# Altium PCB MASOUD.PcbDoc (part 1 of 5) (continued)
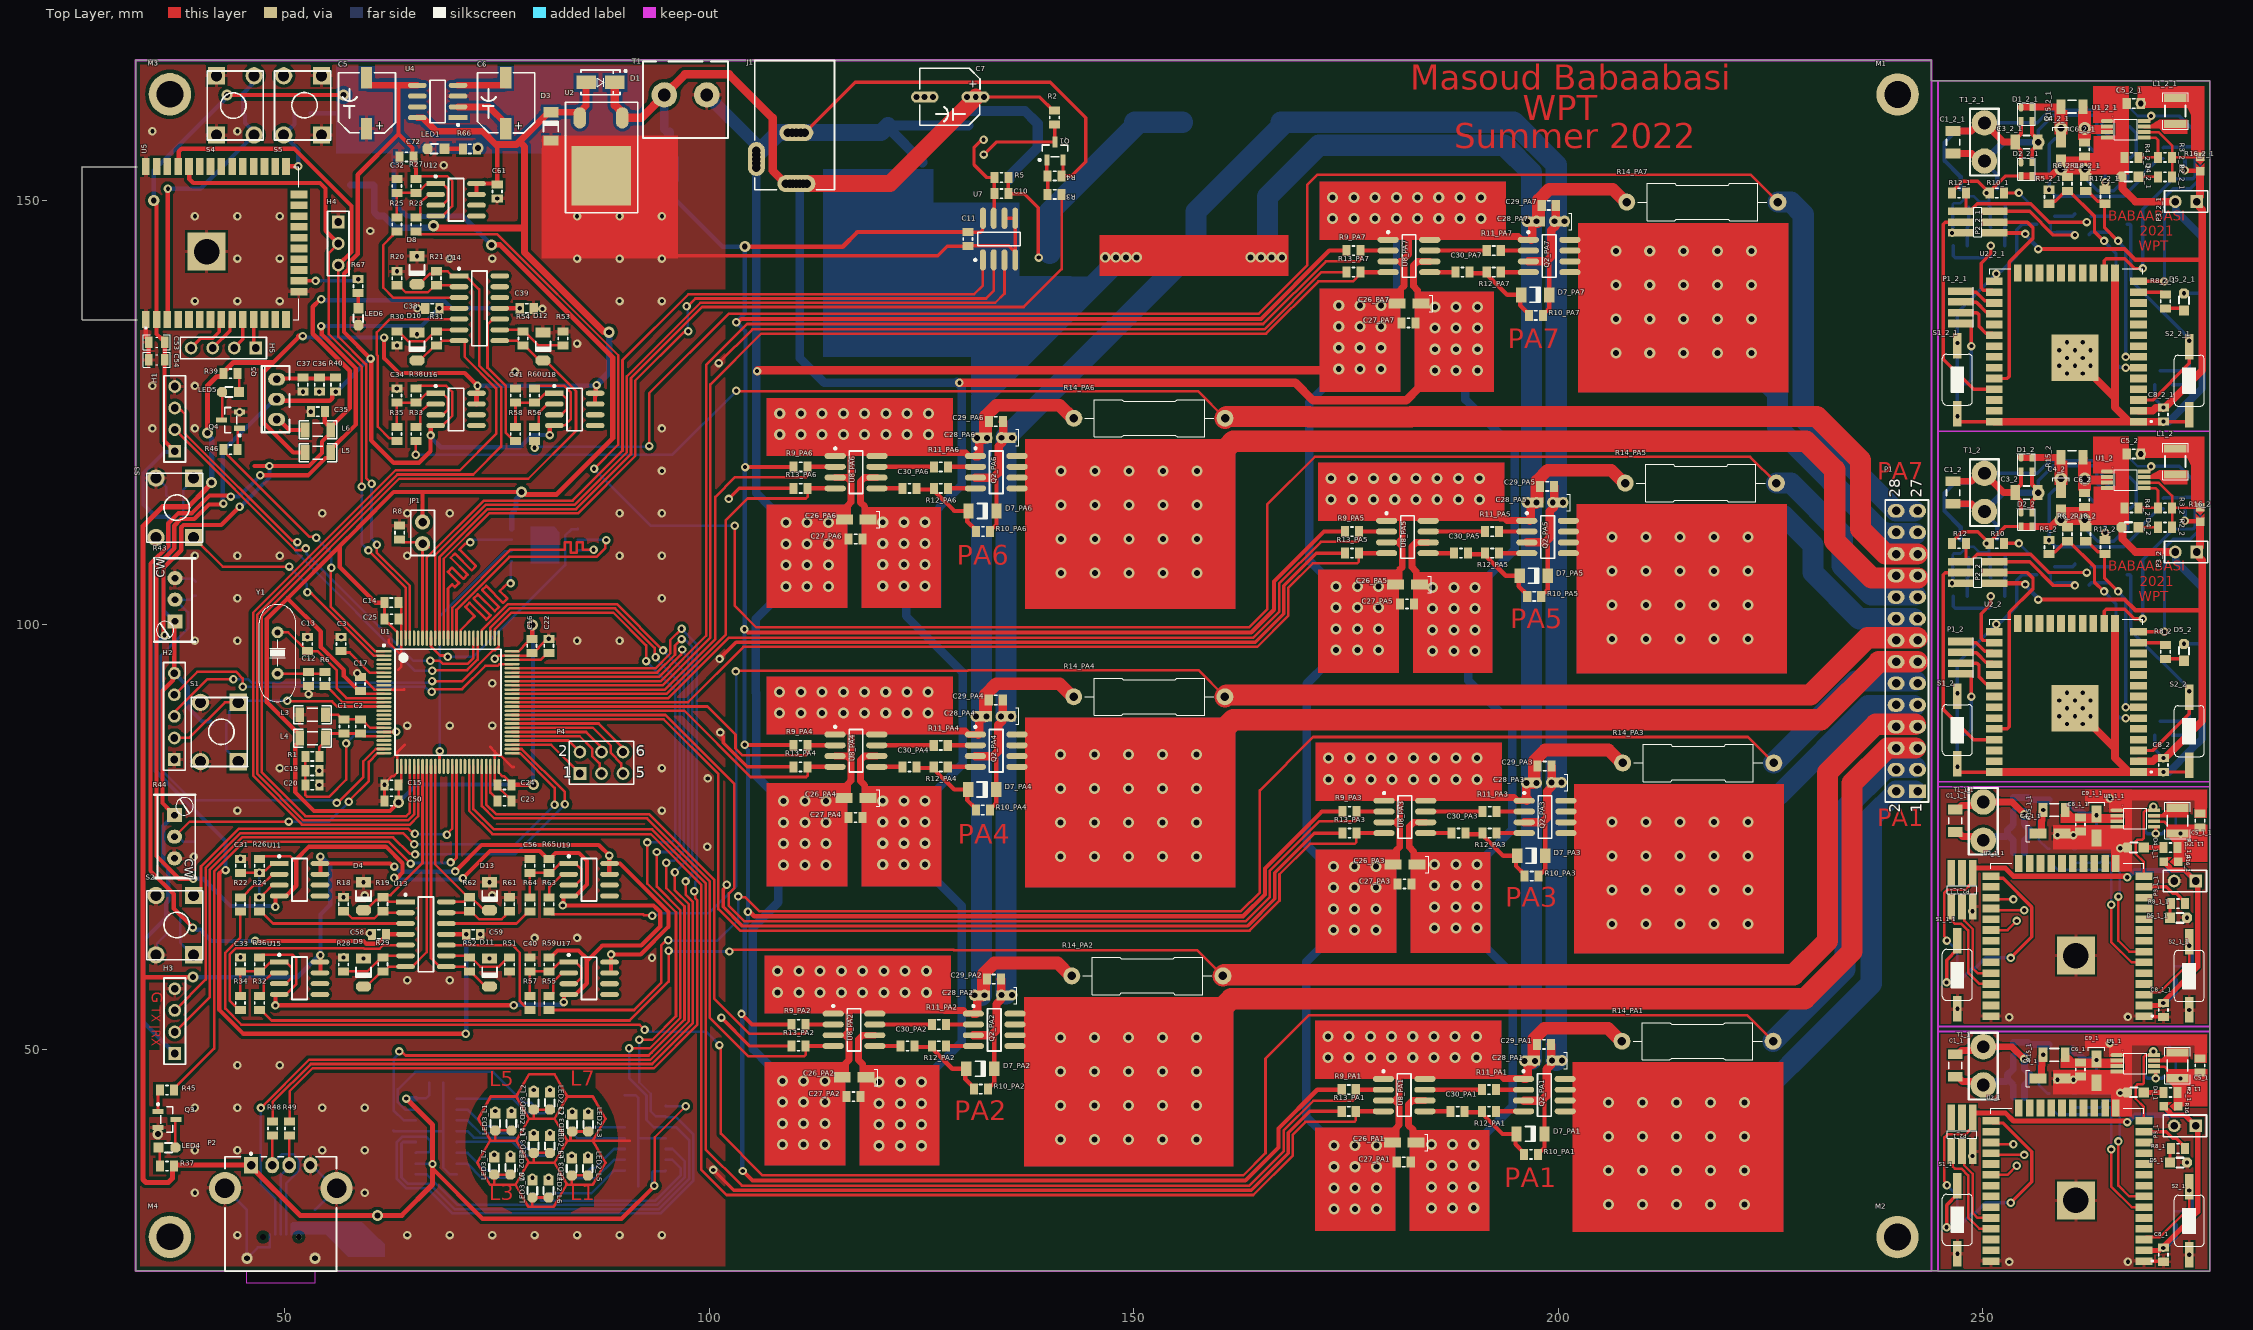
[diagram p0: Top Layer view]
## Components (designator, comment, footprint, x,y, rotation, side; value= is the part's Value field where it differs from the comment) (continued)
L6 "inductor 10uH" IND1206 53.935,122.974 r0 top value=10uH
LED1 "LED Red" led_0805 67.835,156.074 r180 top
LED2_L1 "LED Red" led_0805 76.735,41.478 r270 top (schematic designator LED2)
LED2_L2 "LED Red" led_0805 81.26,43.928 r270 top (schematic designator LED2)
LED2_L3 "LED Red" led_0805 85.785,41.353 r270 top (schematic designator LED2)
LED2_L4 "LED Red" led_0805 81.26,38.828 r270 top (schematic designator LED2)
LED2_L5 "LED Red" led_0805 85.735,36.178 r270 top (schematic designator LED2)
LED2_L6 "LED Red" led_0805 81.11,33.578 r270 top (schematic designator LED2)
LED2_L7 "LED Red" led_0805 76.61,36.278 r270 top (schematic designator LED2)
LED3_L1 "LED Green" led_0805 74.835,41.478 r270 top (schematic designator LED3)
LED3_L2 "LED Green" led_0805 79.36,43.928 r270 top (schematic designator LED3)
LED3_L3 "LED Green" led_0805 83.885,41.353 r270 top (schematic designator LED3)
LED3_L4 "LED Green" led_0805 79.36,38.828 r270 top (schematic designator LED3)
LED3_L5 "LED Green" led_0805 83.835,36.178 r270 top (schematic designator LED3)
LED3_L6 "LED Green" led_0805 79.21,33.578 r270 top (schematic designator LED3)
LED3_L7 "LED Green" led_0805 74.71,36.278 r270 top (schematic designator LED3)
LED4 "LED RED" led_0805 36.16,38.449 r0 top
LED5 "LED RED" led_0805 43.66,127.424 r180 top
LED6 "LED RED" led_0805 58.71,136.299 r270 top
M1 "Screw" Screw 239.985,162.474 r0 top
M2 "Screw" Screw 239.96,27.924 r0 top
M3 "Screw" Screw 36.51,162.499 r0 top
M4 "Screw" Screw 36.51,27.949 r0 top
P1 "Header 14X2" HDR2X14 242.332,80.42 r90 top locked
P1_1 "Header 4" HEADER-1.27MM-1*4 254.508,36.953 r180 bottom (schematic designator P1)
P1_1_1 "Header 4" HEADER-1.27MM-1*4 254.508,65.782 r180 bottom (schematic designator P1)
P1_2 "Header 4" HEADER-1.27MM-1*4 247.399,96.143 r0 top (schematic designator P1)
P1_2_1 "Header 4" HEADER-1.27MM-1*4 247.399,137.414 r0 top (schematic designator P1)
P2 "USB Connector" USB2.5-2H4C 49.565,30.894 r270 top
P2_1 "Header 3X2" HEADER-1.27MM-SMD-2*3 247.551,40.011 r90 top (schematic designator P2)
P2_1_1 "Header 3X2" HEADER-1.27MM-SMD-2*3 247.551,68.84 r90 top (schematic designator P2)
P2_2 "Header 3X2" HEADER-1.27MM-SMD-2*3 249.431,106.176 r0 top (schematic designator P2)
P2_2_1 "Header 3X2" HEADER-1.27MM-SMD-2*3 249.431,147.447 r0 top (schematic designator P2)
p3 "USB Connector" USB_AB_BM_SHS 49.585,26.824 r0 bottom
P3_1 "Header 2" HDR1X2 275.082,41.017 r180 top (schematic designator P3)
P3_1_1 "Header 2" HDR1X2 275.082,69.846 r180 top (schematic designator P3)
P3_2 "Header 2" HDR1X2 275.212,108.589 r180 top (schematic designator P3)
P3_2_1 "Header 2" HDR1X2 275.212,149.86 r180 top (schematic designator P3)
P4 "Header 3X2" HDR2X3 84.795,82.509 r0 top
Q1 "C945" SOT23_N 140.735,155.824 r90 top
Q1_1 "C945" SOT23_N 265.941,105.922 r0 bottom (schematic designator Q1)
Q1_1_1 "C945" SOT23_N 265.941,147.193 r0 bottom (schematic designator Q1)
Q2 "C945" SOT23_N 257.432,105.922 r180 bottom
Q2_1 "C945" SOT23_N 257.432,147.193 r180 bottom (schematic designator Q2)
Q2_PA1 "IRF7307" SO8_M 198.375,44.636 r0 top (schematic designator Q2)
Q2_PA2 "IRF7307" SO8_M 133.585,52.321 r0 top (schematic designator Q2)
Q2_PA3 "IRF7307" SO8_M 198.456,77.399 r0 top (schematic designator Q2)
Q2_PA4 "IRF7307" SO8_M 133.813,85.198 r0 top (schematic designator Q2)
Q2_PA5 "IRF7307" SO8_M 198.757,110.363 r0 top (schematic designator Q2)
Q2_PA6 "IRF7307" SO8_M 133.827,117.995 r0 top (schematic designator Q2)
Q2_PA7 "IRF7307" SO8_M 198.938,143.454 r0 top (schematic designator Q2)
Q3 "C945" SOT23_N 36.16,41.749 r0 top
Q3_1 "C945" SOT23_N 247.399,108.97 r90 bottom (schematic designator Q3)
Q3_1_1 "C945" SOT23_N 247.399,150.241 r90 bottom (schematic designator Q3)
Q4 "C945" SOT23_N 43.66,124.124 r180 top
Q4_1 "C945" SOT23_N 251.717,109.097 r90 bottom (schematic designator Q4)
Q4_1_1 "C945" SOT23_N 251.717,150.368 r90 bottom (schematic designator Q4)
Q5 "BD138" SOT-32 50.585,122.699 r90 top
R1 "47R" "RES 0805 (2012X06L)" 52.46,84.524 r0 top
R1_1 "Res1" "RES 0805 (2012X06L)" 271.907,50.669 r180 bottom value=100K (schematic designator R1)
R1_1_1 "Res1" "RES 0805 (2012X06L)" 271.907,79.498 r180 bottom value=100K (schematic designator R1)
R1_2 "Res1" "RES 0805 (2012X06L)" 268.735,120.019 r180 bottom value=100K (schematic designator R1)
R1_2_1 "Res1" "RES 0805 (2012X06L)" 268.735,161.29 r180 bottom value=100K (schematic designator R1)
R2 "10k" "RES 0805 (2012X06L)" 140.685,158.949 r90 top
R2_1 "Res1" "RES 0805 (2012X06L)" 272.923,44.954 r180 top value=4.7K (schematic designator R2)
R2_1_1 "Res1" "RES 0805 (2012X06L)" 272.923,73.783 r180 top value=4.7K (schematic designator R2)
R2_2 "Res1" "RES 0805 (2012X06L)" 272.291,111.51 r180 top value=4.7K (schematic designator R2)
R2_2_1 "Res1" "RES 0805 (2012X06L)" 272.291,152.781 r180 top value=4.7K (schematic designator R2)
R3 "10K" "RES 0805 (2012X06L)" 141.535,150.724 r180 top
R3_1 "Res1" "RES 0805 (2012X06L)" 273.049,46.859 r180 bottom value=47K (schematic designator R3)
R3_1_1 "Res1" "RES 0805 (2012X06L)" 273.049,75.688 r180 bottom value=47K (schematic designator R3)
R3_2 "Res1" "RES 0805 (2012X06L)" 272.292,113.796 r180 top value=47K (schematic designator R3)
R3_2_1 "Res1" "RES 0805 (2012X06L)" 272.292,155.067 r180 top value=47K (schematic designator R3)
R4 "47k" "RES 0805 (2012X06L)" 141.535,152.899 r180 top
R4_1 "Res1" "RES 0805 (2012X06L)" 269.112,46.859 r180 bottom value=15K (schematic designator R4)
R4_1_1 "Res1" "RES 0805 (2012X06L)" 269.112,75.688 r180 bottom value=15K (schematic designator R4)
R4_2 "Res1" "RES 0805 (2012X06L)" 268.354,113.796 r180 top value=15K (schematic designator R4)
R4_2_1 "Res1" "RES 0805 (2012X06L)" 268.354,155.067 r180 top value=15K (schematic designator R4)
R5 "10K" "RES 0805 (2012X06L)" 133.61,152.699 r0 top
R5_1 "Res1" "RES 0805 (2012X06L)" 257.81,44.826 r270 bottom value="88.7K 0.1%" (schematic designator R5)
R5_1_1 "Res1" "RES 0805 (2012X06L)" 257.81,73.655 r270 bottom value="88.7K 0.1%" (schematic designator R5)
R5_2 "Res1" "RES 0805 (2012X06L)" 257.813,109.985 r270 top value="88.7K 0.1%" (schematic designator R5)
R5_2_1 "Res1" "RES 0805 (2012X06L)" 257.813,151.256 r270 top value="88.7K 0.1%" (schematic designator R5)
R6 "120R" "RES 0805 (2012X06L)" 54.76,92.799 r90 top
R6_1 "Res1" "RES 0805 (2012X06L)" 265.049,43.176 r90 bottom value="19.6K 0.1%" (schematic designator R6)
R6_1_1 "Res1" "RES 0805 (2012X06L)" 265.049,72.005 r90 bottom value="19.6K 0.1%" (schematic designator R6)
R6_2 "Res1" "RES 0805 (2012X06L)" 259.972,109.859 r90 top value="19.6K 0.1%" (schematic designator R6)
R6_2_1 "Res1" "RES 0805 (2012X06L)" 259.972,151.13 r90 top value="19.6K 0.1%" (schematic designator R6)
R7 "10K" "RES 0805 (2012X06L)" 41.51,88.374 r0 bottom
R7_1 "Res1" "RES 0805 (2012X06L)" 272.669,29.333 r90 bottom value=15K (schematic designator R7)
R7_1_1 "Res1" "RES 0805 (2012X06L)" 272.669,58.162 r90 bottom value=15K (schematic designator R7)
R7_2 "Res1" "RES 0805 (2012X06L)" 270.259,86.999 r90 bottom value=15K (schematic designator R7)
R7_2_1 "Res1" "RES 0805 (2012X06L)" 270.259,128.27 r90 bottom value=15K (schematic designator R7)
R8 "1K" "RES 0805 (2012X06L)" 63.56,111.699 r270 top
R8_1 "Res1" "RES 0805 (2012X06L)" 273.811,38.35 r180 top value=4.7K (schematic designator R8)
R8_1_1 "Res1" "RES 0805 (2012X06L)" 273.811,67.179 r180 top value=4.7K (schematic designator R8)
R8_2 "Res1" "RES 0805 (2012X06L)" 271.529,97.666 r270 top value=4.7K (schematic designator R8)
R8_2_1 "Res1" "RES 0805 (2012X06L)" 271.529,138.937 r270 top value=4.7K (schematic designator R8)
R9 "Res1" "RES 0805 (2012X06L)" 247.015,29.079 r90 bottom value=10K
R9_1 "Res1" "RES 0805 (2012X06L)" 247.015,57.908 r90 bottom value=10K (schematic designator R9)
R9_2 "Res1" "RES 0805 (2012X06L)" 260.861,104.652 r0 bottom value=10K (schematic designator R9)
R9_2_1 "Res1" "RES 0805 (2012X06L)" 260.861,145.923 r0 bottom value=10K (schematic designator R9)
R9_PA1 "68k" "RES 0805 (2012X06L)" 174.515,45.271 r0 top (schematic designator R9)
R9_PA2 "68k" "RES 0805 (2012X06L)" 109.725,52.956 r0 top (schematic designator R9)
R9_PA3 "68k" "RES 0805 (2012X06L)" 174.596,78.034 r0 top (schematic designator R9)
R9_PA4 "68k" "RES 0805 (2012X06L)" 109.953,85.833 r0 top (schematic designator R9)
R9_PA5 "68k" "RES 0805 (2012X06L)" 174.897,110.998 r0 top (schematic designator R9)
R9_PA6 "68k" "RES 0805 (2012X06L)" 109.967,118.63 r0 top (schematic designator R9)
R9_PA7 "68k" "RES 0805 (2012X06L)" 175.078,144.089 r0 top (schematic designator R9)
R10 "Res1" "RES 0805 (2012X06L)" 252.478,109.605 r180 top value=100K
R10_1 "Res1" "RES 0805 (2012X06L)" 252.478,150.876 r180 top value=100K (schematic designator R10)
R10_PA1 "100K" "RES 0805 (2012X06L)" 197.628,37.651 r180 top (schematic designator R10)
R10_PA2 "100K" "RES 0805 (2012X06L)" 132.838,45.336 r180 top (schematic designator R10)
R10_PA3 "100K" "RES 0805 (2012X06L)" 197.709,70.414 r180 top (schematic designator R10)
R10_PA4 "100K" "RES 0805 (2012X06L)" 133.066,78.213 r180 top (schematic designator R10)
R10_PA5 "100K" "RES 0805 (2012X06L)" 198.01,103.378 r180 top (schematic designator R10)
R10_PA6 "100K" "RES 0805 (2012X06L)" 133.08,111.01 r180 top (schematic designator R10)
R10_PA7 "100K" "RES 0805 (2012X06L)" 198.191,136.469 r180 top (schematic designator R10)
R11 "Res1" "RES 0805 (2012X06L)" 262.512,107.192 r180 bottom value=10K
R11_1 "Res1" "RES 0805 (2012X06L)" 262.512,148.463 r180 bottom value=10K (schematic designator R11)
R11_PA1 "3.3" "RES 0805 (2012X06L)" 192.675,45.271 r180 top (schematic designator R11)
R11_PA2 "3.3" "RES 0805 (2012X06L)" 127.885,52.956 r180 top (schematic designator R11)
R11_PA3 "3.3" "RES 0805 (2012X06L)" 192.756,78.034 r180 top (schematic designator R11)
R11_PA4 "3.3" "RES 0805 (2012X06L)" 128.113,85.833 r180 top (schematic designator R11)
R11_PA5 "3.3" "RES 0805 (2012X06L)" 193.057,110.998 r180 top (schematic designator R11)
R11_PA6 "3.3" "RES 0805 (2012X06L)" 128.127,118.63 r180 top (schematic designator R11)
R11_PA7 "3.3" "RES 0805 (2012X06L)" 193.238,144.089 r180 top (schematic designator R11)
R12 "Res1" "RES 0805 (2012X06L)" 248.034,109.605 r180 top value=100K
R12_1 "Res1" "RES 0805 (2012X06L)" 248.034,150.876 r180 top value=100K (schematic designator R12)
R12_PA1 "3.3" "RES 0805 (2012X06L)" 192.675,42.731 r180 top (schematic designator R12)
R12_PA2 "3.3" "RES 0805 (2012X06L)" 127.885,50.416 r180 top (schematic designator R12)
R12_PA3 "3.3" "RES 0805 (2012X06L)" 192.756,75.494 r180 top (schematic designator R12)
R12_PA4 "3.3" "RES 0805 (2012X06L)" 128.113,83.293 r180 top (schematic designator R12)
R12_PA5 "3.3" "RES 0805 (2012X06L)" 193.057,108.458 r180 top (schematic designator R12)
R12_PA6 "3.3" "RES 0805 (2012X06L)" 128.127,116.09 r180 top (schematic designator R12)
R12_PA7 "3.3" "RES 0805 (2012X06L)" 193.238,141.549 r180 top (schematic designator R12)
R13 "Res1" "RES 0805 (2012X06L)" 246.51,103.382 r0 bottom value=10K
R13_1 "Res1" "RES 0805 (2012X06L)" 246.51,144.653 r0 bottom value=10K (schematic designator R13)
R13_PA1 "68k" "RES 0805 (2012X06L)" 176.165,42.731 r180 top (schematic designator R13)
R13_PA2 "68k" "RES 0805 (2012X06L)" 111.375,50.416 r180 top (schematic designator R13)
R13_PA3 "68k" "RES 0805 (2012X06L)" 176.246,75.494 r180 top (schematic designator R13)
R13_PA4 "68k" "RES 0805 (2012X06L)" 111.603,83.293 r180 top (schematic designator R13)
R13_PA5 "68k" "RES 0805 (2012X06L)" 176.547,108.458 r180 top (schematic designator R13)
R13_PA6 "68k" "RES 0805 (2012X06L)" 111.617,116.09 r180 top (schematic designator R13)
R13_PA7 "68k" "RES 0805 (2012X06L)" 176.728,141.549 r180 top (schematic designator R13)
R14 "Res1" "RES 0805 (2012X06L)" 250.955,103.382 r0 bottom value=10K
R14_1 "Res1" "RES 0805 (2012X06L)" 250.955,144.653 r0 bottom value=10K (schematic designator R14)
R14_PA1 "1W" "Axial 1W  7_0mm" 216.415,50.986 r180 top value=0.1R (schematic designator R14)
R14_PA2 "1W" "Axial 1W  7_0mm" 151.625,58.671 r180 top value=0.1R (schematic designator R14)
R14_PA3 "1W" "Axial 1W  7_0mm" 216.496,83.749 r180 top value=0.1R (schematic designator R14)
R14_PA4 "1W" "Axial 1W  7_0mm" 151.853,91.548 r180 top value=0.1R (schematic designator R14)
R14_PA5 "1W" "Axial 1W  7_0mm" 216.797,116.713 r180 top value=0.1R (schematic designator R14)
R14_PA6 "1W" "Axial 1W  7_0mm" 151.867,124.345 r180 top value=0.1R (schematic designator R14)
R14_PA7 "1W" "Axial 1W  7_0mm" 216.978,149.804 r180 top value=0.1R (schematic designator R14)
R15 "Res 330R" RES0805 71.21,154.824 r90 bottom value=330R
R15_1 "Res1" "RES 1206 (3216X08L)" 257.119,49.384 r0 top value="1R 1% 250mw" (schematic designator R15)
R15_1_1 "Res1" "RES 1206 (3216X08L)" 257.119,78.213 r0 top value="1R 1% 250mw" (schematic designator R15)
R15_2 "Res1" "RES 1206 (3216X08L)" 259.21,119.765 r0 top value="1R 1% 250mw" (schematic designator R15)
R15_2_1 "Res1" "RES 1206 (3216X08L)" 259.21,161.036 r0 top value="1R 1% 250mw" (schematic designator R15)
R16 "jumper" JUMPER 272.161,43.303 r180 top value=0
R16_1 "jumper" JUMPER 272.161,72.132 r180 top value=0 (schematic designator R16)
R16_2 "Res1" JUMPER 275.593,113.034 r270 top value=0 (schematic designator R16)
R16_2_1 "Res1" JUMPER 275.593,154.305 r270 top value=0 (schematic designator R16)
R16_L1 "220" "RES 0805 (2012X06L)" 76.735,42.628 r270 bottom (schematic designator R16)
R16_L2 "220" "RES 0805 (2012X06L)" 81.26,45.078 r270 bottom (schematic designator R16)
R16_L3 "220" "RES 0805 (2012X06L)" 85.785,42.503 r270 bottom (schematic designator R16)
R16_L4 "220" "RES 0805 (2012X06L)" 81.26,39.978 r270 bottom (schematic designator R16)
R16_L5 "220" "RES 0805 (2012X06L)" 85.735,37.328 r270 bottom (schematic designator R16)
R16_L6 "220" "RES 0805 (2012X06L)" 81.11,34.728 r270 bottom (schematic designator R16)
R16_L7 "220" "RES 0805 (2012X06L)" 76.61,37.428 r270 bottom (schematic designator R16)
R17 "Res1" "RES 0805 (2012X06L)" 260.731,44.827 r270 bottom value="88.7K 0.1%"
R17_1 "Res1" "RES 0805 (2012X06L)" 260.731,73.656 r270 bottom value="88.7K 0.1%" (schematic designator R17)
R17_2 "Res1" "RES 0805 (2012X06L)" 264.417,109.986 r270 top value="88.7K 0.1%" (schematic designator R17)
R17_2_1 "Res1" "RES 0805 (2012X06L)" 264.417,151.257 r270 top value="88.7K 0.1%" (schematic designator R17)
R17_L1 "1K" "RES 0805 (2012X06L)" 74.835,42.628 r270 bottom (schematic designator R17)
R17_L2 "1K" "RES 0805 (2012X06L)" 79.36,45.078 r270 bottom (schematic designator R17)
R17_L3 "1K" "RES 0805 (2012X06L)" 83.885,42.503 r270 bottom (schematic designator R17)
R17_L4 "1K" "RES 0805 (2012X06L)" 79.36,39.978 r270 bottom (schematic designator R17)
R17_L5 "1K" "RES 0805 (2012X06L)" 83.835,37.328 r270 bottom (schematic designator R17)
R17_L6 "1K" "RES 0805 (2012X06L)" 79.21,34.728 r270 bottom (schematic designator R17)
R17_L7 "1K" "RES 0805 (2012X06L)" 74.71,37.428 r270 bottom (schematic designator R17)
R18 "1k" "RES 0805 (2012X06L)" 56.96,66.289 r90 top
R18_1 "Res1" "RES 0805 (2012X06L)" 262.89,43.176 r90 bottom value="19.6K 0.1%" (schematic designator R18)
R18_1_1 "Res1" "RES 0805 (2012X06L)" 262.89,72.005 r90 bottom value="19.6K 0.1%" (schematic designator R18)
R18_2 "Res1" "RES 0805 (2012X06L)" 262.131,109.859 r90 top value="19.6K 0.1%" (schematic designator R18)
R18_2_1 "Res1" "RES 0805 (2012X06L)" 262.131,151.13 r90 top value="19.6K 0.1%" (schematic designator R18)
R19 "10k" "RES 0805 (2012X06L)" 61.585,67.939 r270 top
R19_1 "Res1" "RES 0805 (2012X06L)" 246.51,105.541 r0 bottom value=100K (schematic designator R19)
R19_1_1 "Res1" "RES 0805 (2012X06L)" 246.51,146.812 r0 bottom value=100K (schematic designator R19)
R20 "1k" "RES 0805 (2012X06L)" 63.26,140.009 r90 top
R20_1 "Res1" "RES 0805 (2012X06L)" 250.955,105.541 r0 bottom value=100K (schematic designator R20)
R20_1_1 "Res1" "RES 0805 (2012X06L)" 250.955,146.812 r0 bottom value=100K (schematic designator R20)
R21 "10k" "RES 0805 (2012X06L)" 67.885,141.659 r270 top
R21_1 "Res1" "RES 0805 (2012X06L)" 273.815,113.416 r90 bottom value=470 (schematic designator R21)
R21_1_1 "Res1" "RES 0805 (2012X06L)" 273.815,154.687 r90 bottom value=470 (schematic designator R21)
R22 "2.2k" "RES 0805 (2012X06L)" 44.81,67.924 r270 top
R23 "2.2k" "RES 0805 (2012X06L)" 65.485,147.994 r270 top
R24 "10k" "RES 0805 (2012X06L)" 47.06,66.274 r90 top
R25 "10k" "RES 0805 (2012X06L)" 63.235,146.344 r90 top
R26 "100k" "RES 0805 (2012X06L)" 47.06,70.814 r90 top
R27 "100k" "RES 0805 (2012X06L)" 65.485,150.884 r90 top
R28 "1k" "RES 0805 (2012X06L)" 56.96,59.199 r90 top
R29 "10k" "RES 0805 (2012X06L)" 61.585,59.209 r90 top
R30 "1k" "RES 0805 (2012X06L)" 63.26,134.579 r270 top
R31 "10k" "RES 0805 (2012X06L)" 67.885,132.929 r90 top
R32 "2.2k" "RES 0805 (2012X06L)" 47.06,56.319 r270 top
R33 "2.2k" "RES 0805 (2012X06L)" 65.485,123.309 r270 top
R34 "10k" "RES 0805 (2012X06L)" 44.81,54.669 r90 top
R35 "10k" "RES 0805 (2012X06L)" 63.235,121.659 r90 top
R36 "100k" "RES 0805 (2012X06L)" 47.06,59.209 r90 top
R37 "1K" "RES 0805 (2012X06L)" 35.335,36.274 r0 top
R38 "100k" "RES 0805 (2012X06L)" 65.485,126.199 r90 top
R39 "1K" "RES 0805 (2012X06L)" 44.485,129.599 r180 top
R40 "2.2k" "RES 0805 (2012X06L)" 56.035,129.124 r270 top
R41 "10K" "RES 0805 (2012X06L)" 36.085,65.674 r0 bottom
R42 "10K" "RES 0805 (2012X06L)" 36.41,112.749 r0 bottom
R43 "RPot" "Multi Turn 02" 37.11,100.434 r180 top value=10K
R44 "RPot" "Multi Turn 02" 37.06,77.604 r0 top value=10K
R45 "10K" "RES 0805 (2012X06L)" 36.985,45.224 r180 top
R46 "10K" "RES 0805 (2012X06L)" 42.835,120.649 r0 top
R47 "10K" RES0805 44.21,162.399 r0 bottom
R48 "330R" "RES 0805 (2012X06L)" 48.61,39.874 r90 top
R49 "330R" "RES 0805 (2012X06L)" 50.61,39.874 r90 top
R50 "10K" RES0805 52.135,160.276 r180 bottom
R51 "1k" "RES 0805 (2012X06L)" 76.51,60.849 r270 top
R52 "10k" "RES 0805 (2012X06L)" 71.81,59.199 r90 top
R53 "1k" "RES 0805 (2012X06L)" 82.81,132.929 r90 top
R54 "10k" "RES 0805 (2012X06L)" 78.11,132.929 r90 top
R55 "2.2k" "RES 0805 (2012X06L)" 81.16,56.309 r270 top
R56 "2.2k" "RES 0805 (2012X06L)" 79.46,123.309 r270 top
R57 "10k" "RES 0805 (2012X06L)" 78.91,54.659 r90 top
R58 "10k" "RES 0805 (2012X06L)" 77.21,121.659 r90 top
R59 "100k" "RES 0805 (2012X06L)" 81.16,59.199 r90 top
R60 "100k" "RES 0805 (2012X06L)" 79.46,126.189 r90 top
R61 "1k" "RES 0805 (2012X06L)" 76.51,66.289 r90 top
R62 "10k" "RES 0805 (2012X06L)" 71.81,67.939 r270 top
R63 "2.2k" "RES 0805 (2012X06L)" 81.16,67.924 r270 top
R64 "10k" "RES 0805 (2012X06L)" 78.91,66.274 r90 top
R65 "100k" "RES 0805 (2012X06L)" 81.16,70.814 r90 top
R66 "1K" "RES 0805 (2012X06L)" 71.01,156.079 r0 top
R67 "1K" "RES 0805 (2012X06L)" 58.685,139.074 r90 top
S1 "Switch PB" "Switch - Push to On" 42.335,87.399 r270 top
S1_1 "Switch PB" TACK-SW-3X5X6 247.015,29.968 r90 top locked (schematic designator S1)
S1_1_1 "Switch PB" TACK-SW-3X5X6 247.015,58.797 r90 top locked (schematic designator S1)
S1_2 "Switch PB" TACK-SW-3X5X6 247.018,87.634 r90 top (schematic designator S1)
S1_2_1 "Switch PB" TACK-SW-3X5X6 247.018,128.905 r90 top (schematic designator S1)
S2 "Switch PB" "Switch - Push to On" 37.085,64.649 r270 top
S2_1 "Switch PB" TACK-SW-3X5X6 274.32,29.841 r90 top locked (schematic designator S2)
S2_1_1 "Switch PB" TACK-SW-3X5X6 274.32,58.67 r90 top locked (schematic designator S2)
S2_2 "Switch PB" TACK-SW-3X5X6 274.323,87.507 r90 top (schematic designator S2)
S2_2_1 "Switch PB" TACK-SW-3X5X6 274.323,128.778 r90 top (schematic designator S2)
S3 "Switch PB" "Switch - Push to On" 37.085,113.799 r270 top
S4 "Switch PB" "Switch - Push to On" 44.21,161.188 r90 top
S5 "Switch PB" "Switch - Push to On" 52.135,161.188 r270 top
T1 "Terminal" "Terminal 1*2_1" 102.228,166.361 r180 top locked
T1_1 "Terminal" my-term 250.063,48.002 r90 top (schematic designator T1)
T1_1_1 "Terminal" my-term 250.063,76.831 r90 top (schematic designator T1)
T1_2 "Terminal" my-term 250.193,115.535 r90 top locked (schematic designator T1)
T1_2_1 "Terminal" my-term 250.193,156.806 r90 top locked (schematic designator T1)
U1 "STM32H7B0_VBT6" LQFP100_N 69.26,90.899 r0 top
U1_1 "TPS62160" DGK-PDSO-G8 267.97,48.383 r270 top (schematic designator U1)
U1_1_1 "TPS62160" DGK-PDSO-G8 267.97,77.212 r270 top (schematic designator U1)
U1_2 "TPS62160" DGK-PDSO-G8 266.83,117.098 r270 top (schematic designator U1)
U1_2_1 "TPS62160" DGK-PDSO-G8 266.83,158.369 r270 top (schematic designator U1)
U2 "L7805CV" REG-7805-smd 87.285,159.724 r180 top locked
U2_1 "esp 32 wroom d" esp-wroom 259.969,30.349 r180 top (schematic designator U2)
U2_1_1 "esp 32 wroom d" esp-wroom 259.969,59.178 r180 top (schematic designator U2)
U2_2 "esp 32 wroom d" ESP-WROOM#1 259.854,87.941 r180 top (schematic designator U2)
U2_2_1 "esp 32 wroom d" ESP-WROOM#1 259.854,129.212 r180 top (schematic designator U2)
U3 "AMS1117-3.3" SOT223 62.886,154.924 r90 bottom
U3_1 "LM311D" SO8_N 268.862,115.574 r0 bottom (schematic designator U3)
U3_1_1 "LM311D" SO8_N 268.862,156.845 r0 bottom (schematic designator U3)
U4 "LMC7660IM" M08A_N 68.047,161.649 r180 top
U5 "esp 32 wroom d" ESP-WROOM#2 38.935,144.974 r90 top
U6 "lm2576-adj" 2596 124.135,158.824 r180 bottom
U7 "MCP41xxx" SO8_M 134.16,145.449 r90 top
U8_PA1 "7667" SO8_M 181.865,44.636 r0 top (schematic designator U8)
U8_PA2 "7667" SO8_M 117.075,52.321 r0 top (schematic designator U8)
U8_PA3 "7667" SO8_M 181.946,77.399 r0 top (schematic designator U8)
U8_PA4 "7667" SO8_M 117.303,85.198 r0 top (schematic designator U8)
U8_PA5 "7667" SO8_M 182.247,110.363 r0 top (schematic designator U8)
U8_PA6 "7667" SO8_M 117.317,117.995 r0 top (schematic designator U8)
U8_PA7 "7667" SO8_M 182.428,143.454 r0 top (schematic designator U8)
U9 "MC74VHC595D" 751B-05_N 67.885,39.749 r180 bottom
U10 "MC74VHC595D" 751B-05_N 92.485,40.194 r0 bottom
U11 "LM311D" SO8_N 51.785,70.004 r0 top
U12 "LM311D" SO8_N 70.21,150.074 r0 top
U13 "TL084ACD" SO14_N 66.66,63.574 r0 top
U14 "TL084ACD" SO14_N 72.96,137.294 r0 top
U15 "LM311D" SO8_N 51.785,58.399 r0 top
U16 "LM311D" SO8_N 70.21,125.389 r0 top
U17 "LM311D" SO8_N 85.885,58.389 r0 top
U18 "LM311D" SO8_N 84.185,125.389 r0 top
U19 "LM311D" SO8_N 85.885,70.004 r0 top
U20 "W25Q32" WSON-8x6 80.66,109.399 r180 bottom
Y1 "8Mhz" "CRYSTAL Small" 49.185,96.699 r270 top

## Footprints (in the part's own frame and the unit in brackets; to place one, negate y for a bottom-side part, rotate by r counter-clockwise, add the part's x,y. Pads: shape width x height; smd on the part's side, far side on the other; paste and mask are expansions set on the pad)
751B-05_N [mm] "SOIC, 16-Leads, Body 9.9x3.9mm, Pitch 1.27mm, IPC Medium Density"
  rect 2.2x0.55 smd: 1(-2.4,4.445)
  oval 2.2x0.55 smd: 2(-2.4,3.175) 3(-2.4,1.905) 4(-2.4,0.635) 5(-2.4,-0.635) 6(-2.4,-1.905) 7(-2.4,-3.175) 8(-2.4,-4.445) 9(2.4,-4.445) 10(2.4,-3.175) 11(2.4,-1.905) 12(2.4,-0.635) 13(2.4,0.635) 14(2.4,1.905) 15(2.4,3.175) 16(2.4,4.445)
  silkscreen extent -2.53,-5 0.9,5.42, body extent -2,-5 2,5, height 1.75
2596 [mm]
  rect 4x1.2 smd: 1(-6.4,3.4) 2(-6.4,1.7) 3(-6.4,0) 4(-6.4,-1.7) 5(-6.4,-3.4)
  rect 10.5x11.05 smd: 3(3.048,0)
  silkscreen extent -6.13,-3.35 -3.25,4.67, body extent -2.05,-3.35 4.15,3.35, height 2.38
"Axial 1W  7_0mm" [mm] "Designer Abbas Basereh"
  round 2 hole 1: 1(8.9,0) 2(-8.9,0)
  silkscreen extent -7.6,-2.2 7.6,2.2, body extent -9.26,-2.25 9.27,2.25, height 5.22
CAP0805 [mm] "Chip Capacitor, 2-Leads, Body 2/00x1/25mm, IPC Medium Density DESIGNER:ABBAS BASEREH"
  rect 0.9x1.35 smd: 1(-0.95,0) 2(0.95,0)
  silkscreen extent -1.58,-0.87 1.58,0.87, body extent -1.02,-0.65 1.02,0.65, height 0.5
"Cap1206_(3216X18L)Size A" [mm] "Chip Capacitor, 2-Leads, Body 3.2x1.6mm, IPC High Density, chip Tantalum"
  rect 1.999x1.199 smd: 1(0,0) 2(2.8,0)
  silkscreen extent -1.38,-0.97 -0.99,0.97, body extent -0.43,-0.9 3.21,0.9, height 1.8
"Cap 805" [mm]
  rect 0.95x1.3 smd: 1(0,0) 2(1.65,0)
  silkscreen extent 0.67,-0.55 0.97,0.55, body extent -0.19,-0.64 1.84,0.63, height 0.65
"Cap 1206 (3216X15L)" [mm] "Chip Capacitor, 2-Leads, Body 3.2x1.6mm, IPC High Density"
  rect 1.15x1.75 smd: 1(-1.325,0) 2(1.325,0)
  silkscreen extent -0.35,-0.77 0.35,0.77, body extent -1.6,-0.8 1.6,0.8, height 1
"Cap SMD electrolite-6.3mm" [mm]
  rect 2.5x1.3 smd: 1(3.102,0.025) 2(-2.898,0.025)
  silkscreen extent -3.48,-3.3 3.61,3.43, body extent -3.5,-3.22 3.5,3.38, height 7.7
"Cap SMD electrolite-10.3mm" [mm]
  rect 4.8x1.8 smd: 1(4.2,0) 2(-4.2,0)
  silkscreen extent -5.5,-5.5 5.5,5.5, body extent -5.83,-5.1 5.77,5.2, height 10.5
"CAPP 1206 (3216X18L) Size A" [mm] "Chip Capacitor, 2-Leads, Body 3.2x1.6mm, IPC High Density, chip Tantalum"
  rect 1.999x1.199 smd: 1(0,0) 2(2.8,0)
  silkscreen extent -1.38,-0.97 -0.99,0.97, body extent -0.43,-0.9 3.21,0.9, height 1.8
"CRYSTAL Small" [mm] "DESIGNER ABBAS BASEREH"
  round 1.4 hole 0.7: 1(-2.44,0) 2(2.44,0)
  silkscreen extent -5.71,-2.16 5.71,2.16, body extent -5.75,-2.25 5.75,2.25, height 3.61
DGK-PDSO-G8 [mm]
  oct 0.45x1.45 smd mask+0.05: 1(-0.975,-2.2)
  rect 0.45x1.45 smd mask+0.05: 2(-0.325,-2.2) 3(0.325,-2.2) 4(0.975,-2.2) 5(0.975,2.2) 6(0.325,2.2) 7(-0.325,2.2) 8(-0.975,2.2)
  silkscreen extent -1.2,-1.35 1.22,1.35, body extent -1.2,-1.35 1.22,1.35, height 1
"Diode 1n4148 SMD" [mm] "Mini MELF SOD-80"
  rect 1.2x1.75 smd: 1(0,0) 2(3.3,0)
  silkscreen extent 1.04,-0.88 2.22,0.87, body extent -0.13,-0.75 3.37,0.75, height 1.55
DIOM4629X24N [mm] "Molded Diode, 2-Leads, Body 4/60x2/90mm, IPC Medium Density-Design:Abbas Basereh"
  rect 2.3x1.6 smd: 1(-1.7,0) 2(1.7,0)
  silkscreen extent -2.3,-1.45 3.08,1.47, body extent -2.5,-1.22 2.5,1.48, height 2.2
"DO214AC SMA" [mm] "Molded Diode, 2-Leads, Body 4.30x2.60mm, IPC Medium Density"
  rect 2.5x1.7 smd: 1(2,0) 2(-2,0)
  silkscreen extent -3.75,-1.65 3.68,1.65, body extent -2.6,-1.37 2.6,1.37, height 2.4
esp-wroom [mm]
  rect 2x0.9 smd: 1(-9,5.26) 2(-9,3.99) 3(-9,2.72) 4(-9,1.45) 5(-9,0.18) 6(-9,-1.09) 7(-9,-2.36) 8(-9,-3.63) 9(-9,-4.9) 10(-9,-6.17) 11(-9,-7.44) 12(-9,-8.71) 13(-9,-9.98) 14(-9,-11.25) 25(9,-11.25) 26(9,-9.98) 27(9,-8.71) 28(9,-7.44) 29(9,-6.17) 30(9,-4.9) 31(9,-3.63) 32(9,-2.36) 33(9,-1.09) 34(9,0.18) 35(9,1.45) 36(9,2.72) 37(9,3.99) 38(9,5.26)
  rect 0.9x2 smd: 15(-5.715,-12.75) 16(-4.445,-12.75) 17(-3.175,-12.75) 18(-1.905,-12.75) 19(-0.635,-12.75) 20(0.635,-12.75) 21(1.905,-12.75) 22(3.175,-12.75) 23(4.445,-12.75) 24(5.715,-12.75)
  rect 4.5x4.5 hole 3 mask+0.05: 39(-1,-1.89)
  silkscreen extent -10.1,-12.75 9,5.35
ESP-WROOM#1 [mm]
  rect 2x0.9 smd: 1(-8.5,5.26) 2(-8.5,3.99) 3(-8.5,2.72) 4(-8.5,1.45) 5(-8.5,0.18) 6(-8.5,-1.09) 7(-8.5,-2.36) 8(-8.5,-3.63) 9(-8.5,-4.9) 10(-8.5,-6.17) 11(-8.5,-7.44) 12(-8.5,-8.71) 13(-8.5,-9.98) 14(-8.5,-11.25) 25(8.5,-11.25) 26(8.5,-9.98) 27(8.5,-8.71) 28(8.5,-7.44) 29(8.5,-6.17) 30(8.5,-4.9) 31(8.5,-3.63) 32(8.5,-2.36) 33(8.5,-1.09) 34(8.5,0.18) 35(8.5,1.45) 36(8.5,2.72) 37(8.5,3.99) 38(8.5,5.26)
  rect 0.9x2 smd: 15(-5.715,-12.25) 16(-4.445,-12.25) 17(-3.175,-12.25) 18(-1.905,-12.25) 19(-0.635,-12.25) 20(0.635,-12.25) 21(1.905,-12.25) 22(3.175,-12.25) 23(4.445,-12.25) 24(5.715,-12.25)
  round 0.8 hole 0.5: 39(-2.835,-1.322) 39(-2.835,-3.157) 39(-1.917,-0.405) 39(-1.917,-4.075) 39(-1.917,-2.24) 39(-1,-1.322) 39(-1,-3.157) 39(-0.082,-0.405) 39(-0.082,-2.24) 39(-0.082,-4.075) 39(0.835,-1.322) 39(0.835,-3.157)
  rect 5.5x5.5 smd mask+0.05: 39(-1,-2.25)
  rect 5.5x5.5 smd far side mask+0.05: 39(-1,-2.25)
  silkscreen extent -10.1,-12.75 9,5.35
ESP-WROOM#2 [mm]
  rect 2x0.9 smd: 1(-9,5.26) 2(-9,3.99) 3(-9,2.72) 4(-9,1.45) 5(-9,0.18) 6(-9,-1.09) 7(-9,-2.36) 8(-9,-3.63) 9(-9,-4.9) 10(-9,-6.17) 11(-9,-7.44) 12(-9,-8.71) 13(-9,-9.98) 14(-9,-11.25) 25(9,-11.25) 26(9,-9.98) 27(9,-8.71) 28(9,-7.44) 29(9,-6.17) 30(9,-4.9) 31(9,-3.63) 32(9,-2.36) 33(9,-1.09) 34(9,0.18) 35(9,1.45) 36(9,2.72) 37(9,3.99) 38(9,5.26)
  rect 0.9x2 smd: 15(-5.715,-12.75) 16(-4.445,-12.75) 17(-3.175,-12.75) 18(-1.905,-12.75) 19(-0.635,-12.75) 20(0.635,-12.75) 21(1.905,-12.75) 22(3.175,-12.75) 23(4.445,-12.75) 24(5.715,-12.75)
  rect 4.5x4.5 hole 3 mask+0.05: 39(-1,-1.89)
  silkscreen extent -10.1,-12.75 9,12.75, body extent -8.98,-12.75 9.02,12.75, height 3.25
HDR1X2 [mm] "Connector; Header; 2 Position"
  rect 1.5x1.5 hole 0.9: 1(0,0)
  round 1.5 hole 0.9: 2(2.54,0)
  silkscreen extent -1.27,-1.27 3.81,1.27
HDR1X3 [mm] "Connector; Header; 3 Position"
  rect 1.5x1.5 hole 0.9: 1(0,0)
  round 1.5 hole 0.9: 2(2.54,0) 3(5.08,0)
  silkscreen extent -1.27,-1.27 6.35,1.27
HDR1X4 [mm] "Connector; Header; 4 Position"
  rect 1.5x1.5 hole 0.9: 1(0,0)
  round 1.5 hole 0.9: 2(2.54,0) 3(5.08,0) 4(7.62,0)
  silkscreen extent -1.27,-1.27 8.89,1.27
HDR1X5 [mm] "Connector; Header; 5 Position"
  rect 1.5x1.5 hole 0.9: 1(0,0)
  round 1.5 hole 0.9: 2(2.54,0) 3(5.08,0) 4(7.62,0) 5(10.16,0)
  silkscreen extent -1.27,-1.27 11.43,1.27
HDR2X3 [mm] "Connector; Header; 3x2 Position"
  rect 1.5x1.5 hole 0.9: 1(0,0)
  round 1.5 hole 0.9: 2(0,2.54) 3(2.54,0) 4(2.54,2.54) 5(5.08,0) 6(5.08,2.54)
  silkscreen extent -1.27,-1.27 6.35,3.81
HDR2X14 [mm] "Connector; Header; 14x2 Position"
  rect 1.6x2 hole 1: 1(0,0)
  oval 1.6x2 hole 1: 2(0,2.54) 3(2.54,0) 4(2.54,2.54) 5(5.08,0) 6(5.08,2.54) 7(7.62,0) 8(7.62,2.54) 9(10.16,0) 10(10.16,2.54) 11(12.7,0) 12(12.7,2.54) 13(15.24,0) 14(15.24,2.54) 15(17.78,0) 16(17.78,2.54) 17(20.32,0) 18(20.32,2.54) 19(22.86,0) 20(22.86,2.54) 21(25.4,0) 22(25.4,2.54) 23(27.94,0) 24(27.94,2.54) 25(30.48,0) 26(30.48,2.54) 27(33.02,0) 28(33.02,2.54)
  silkscreen extent -1.27,-1.27 34.29,3.81
HEADER-1.27MM-1*4 [mm]
  rect 3x0.9 smd mask+0.05: 1(0,1.905) 2(0,0.635) 3(0,-0.635) 4(0,-1.905)
  silkscreen extent 1.5,-2.35 1.5,2.35
HEADER-1.27MM-SMD-2*3 [mm]
  rect 3x0.9 smd mask+0.05: 1(-2,1.27) 2(2,1.27) 3(-2,0) 4(2,0) 5(-2,-1.27) 6(2,-1.27)
  silkscreen extent -0.48,-1.73 0.45,1.73
IND1206 [mm] "Chip Inductor, 2-Leads, Body 3/20x1/60mm, IPC Medium Density DESIGNER:ABBAS BASEREH"
  rect 1.04x1.74 smd: 1(-1.51,0) 2(1.51,0)
  silkscreen extent -2.2,-1.05 2.2,1.05, body extent -1.65,-0.85 1.65,0.85, height 0.94
IND1210 [mm] "Chip Inductor, 2-Leads, Body 3/20x2/50mm, IPC Medium Density DESIGNER:ABBAS BASEREH"
  rect 0.97x2.62 smd: 1(-1.52,0) 2(1.52,0)
  silkscreen extent -2.15,-1.5 2.15,1.5, body extent -1.63,-1.28 1.63,1.28, height 0.55
inductor [mm]
  rect 5x4 smd: 1(0,5.8) 2(0,-5.8)
  silkscreen extent -6.1,-6.1 6.1,6.1, body extent -6,-6.17 6,6.17, height 7.5
JUMPER [mm]
  rect 1x1 smd mask+0.05: 1(-0.85,0) 2(0.85,0)
  Top Layer region: -0.375,0.5 0.125,0 -0.375,-0.5 -0.525,-0.5 -0.525,0.5
  Top Layer region: 0.475,0.05 0.475,-0.5 -0.075,-0.5
  Top Layer region: 0.475,0.5 -0.075,0.5 0.475,-0.05
"Jumper Small - 2.54 - GRAY" [mm]
  round 1.8 hole 1: 1(-1.27,0) 2(1.27,0)
  silkscreen extent -2.67,-1.4 2.67,1.4, body extent -2.54,-1.27 2.54,1.27, height 8.57
led_0805 [mm]
  rect 1.2x1.2 smd: 1(-1,0)
  oct 1.2x1.2 smd: 2(1,0)
  silkscreen extent -0.23,-0.58 0.61,0.56, body extent -1.01,-0.63 1.01,0.62, height 1.1
LL4148#1 [mm] "MELF Diode, 2-Leads, Body 3.5x1.4mm, IPC Medium Density"
  rect 1.2x1.75 smd: 1(-1.65,0)
  oct 1.2x1.75 smd: 2(1.65,0)
  silkscreen extent -0.61,-0.88 0.57,0.87, body extent -1.78,-0.75 1.72,0.75, height 1.55